# Altium PCB AirScout_PCBV1.2.PcbDoc (part 2 of 2)
Units mil, origin at the board's own origin, x right, y up, seen from the top; angles counter-clockwise.
Board outline 3592.52 x 5944.88 mil, 4 copper layers (Top Layer, Signal Layer 1, Signal Layer 2, Bottom Layer), stack 23.756 mil thick; 56 components, 39 nets, 237 pads, 309 vias.
Unrouted connection lines stored in the file: 26.
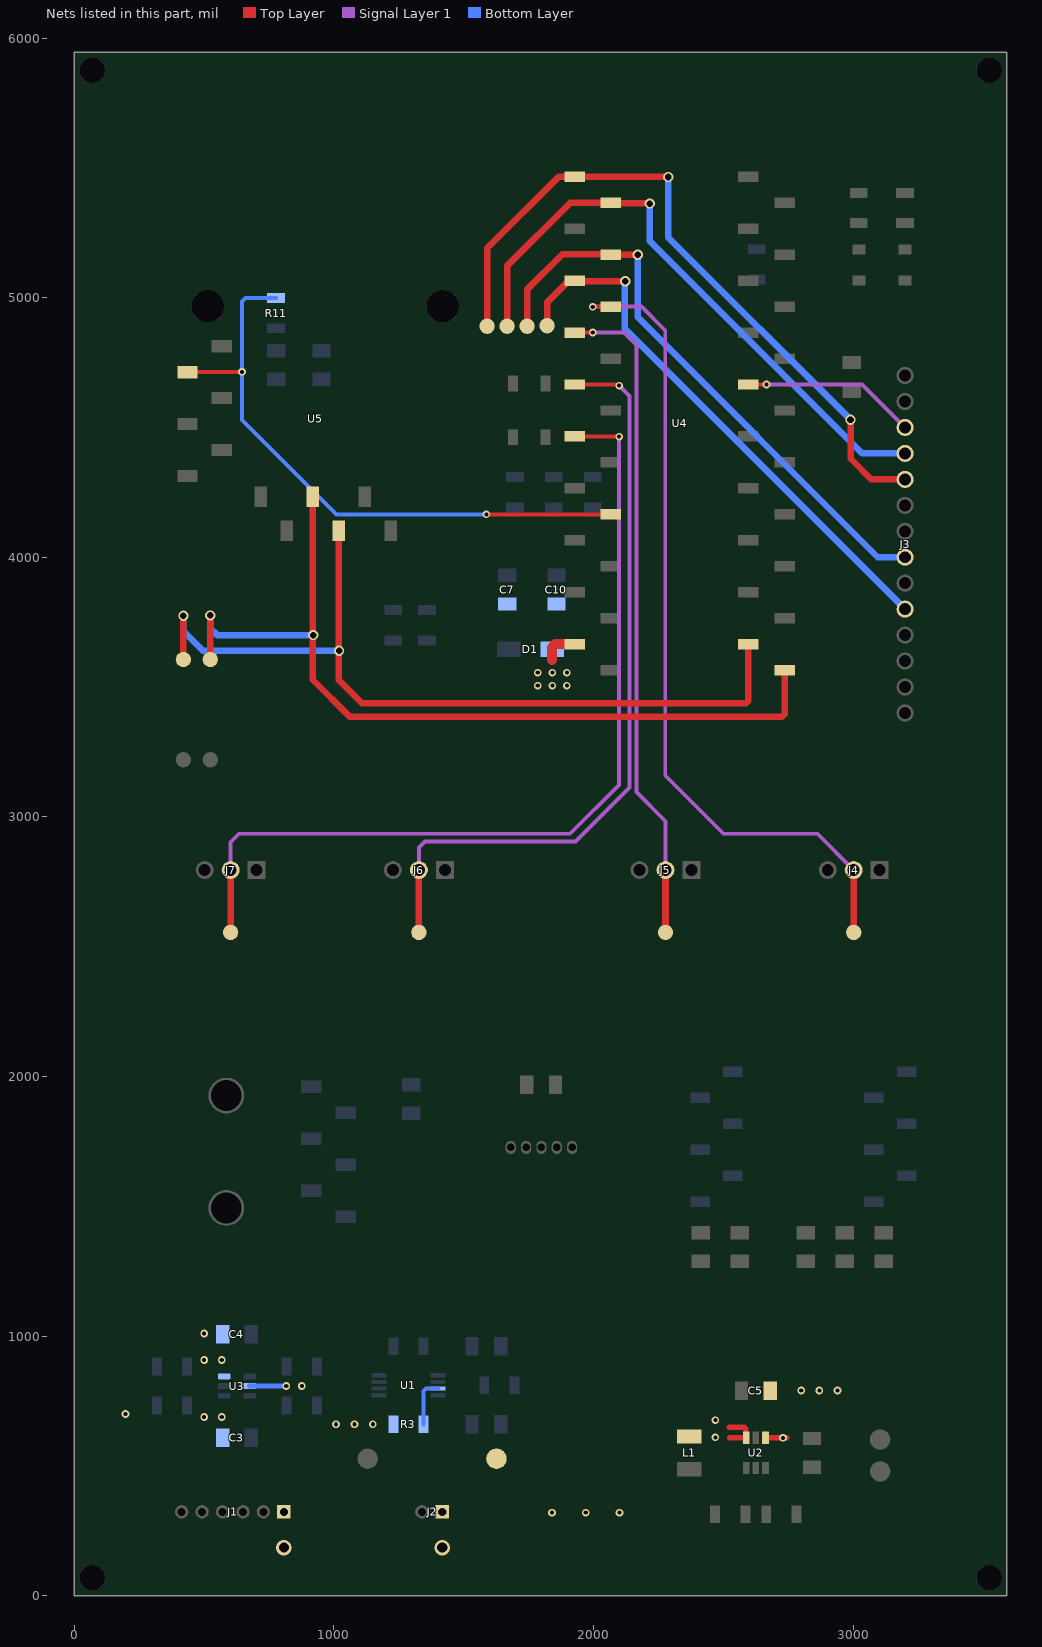
[diagram p4: the nets of this part, all layers, seen from the top]

## Via types
v1: diameter 29.53, hole 15.75, Top Layer to Bottom Layer, 275 vias
v2: diameter 39.37, hole 25.59, Top Layer to Bottom Layer, 23 vias
v3: diameter 59.06, hole 39.37, Top Layer to Bottom Layer, 7 vias
v4: diameter 29.53, hole 15.75, Top Layer to Signal Layer 1, 2 vias
v5: diameter 59.06, hole 39.37, Top Layer to Bottom Layer, tented both sides, 1 vias
v6: diameter 39.37, hole 19.68, Top Layer to Bottom Layer, 1 vias

## Nets (pads, with @x,y where several pads share a name; then routed paths per layer and width w, separated by ;. In a path a pad name is that pad's centre, name@x,y a point inside that pad or via, vN(x,y) a via of type N, cw(c..) or ccw(c..) an arc to the next point about the centre after c; other vN are vias at no path point) (continued)
RESET: R11.1 U4.34 U5.2 | length 2374.8
  Top Layer w15: U5.2@435.89,4713.09 644.84,4713.09 v1(645.96,4714.21) ; v1(1587.09,4165.33) U4.34@2067.09,4165.33
  Bottom Layer w15: R11.1@777.09,4998.6 660.02,4998.6 645.96,4984.55 v1(645.96,4714.21) 645.96,4529.04 1009.67,4165.33 v1(1587.09,4165.33)
RST: J3.12 U4.12 | length 672.1
  Top Layer w15: U4.12@2596.38,4665.33 v1@2673.22,4665.34
  Signal Layer 1 w15: v1@2673.23,4665.35 3034.65,4665.35 J3.12@3200,4500
  other v1: 2666.38,4665.35
SPI/CSn: J3.11 pad.M1@1667.01,4890 U4.22 | length 2349.8
  Top Layer w25.59: pad.M1@1667.01,4890 1667.01,5121.73 1910.61,5365.33 U4.22@2067.09,5365.33 2068.65,5363.77 2214.97,5363.77 v2(2216.54,5362.2)
  Bottom Layer w25.59: v2(2216.54,5362.2) 2216.54,5218.3 3034.84,4400 J3.11@3200,4400
SPI/MISO: J3.5 pad.M1@1821.02,4891.89 U4.25 | length 2136.7
  Top Layer w25.59: pad.M1@1821.02,4891.89 1821.02,4981.02 1898.05,5058.05 1919.8,5058.05 U4.25@1927.09,5065.33 ; U4.25@1927.42,5065 1929.82,5062.6 2121.65,5062.6 v2(2122.05,5062.99)
  Bottom Layer w25.59: v2(2122.05,5062.99) 2120.51,5061.45 2120.51,4879.49 J3.5@3200,3800
SPI/MOSI: J3.10 pad.M1@1590,4890 U4.21 | length 2730.5
  Top Layer w25.59: pad.M1@1590,4890 1590,5190 1865.33,5465.33 U4.21@1927.09,5465.33 2054.49,5465.33 2054.82,5465 2286.97,5465 v2(2287.4,5464.57) ; v2(2990,4530) 2990.9,4529.1 2990.9,4379.1 3070,4300 J3.10@3200,4300
  Bottom Layer w25.59: v2(2287.4,5464.57) 2287.4,5232.6 v2(2990,4530)
SPI/SCK: J3.7 pad.M1@1744.02,4890 U4.24 | length 2277.8
  Top Layer w25.59: pad.M1@1744.02,4890 1744.02,5031.42 1879.96,5167.36 2065.05,5167.36 U4.24@2067.09,5165.33 2169.67,5165.33 v2(2170,5165)
  Bottom Layer w25.59: v2(2170,5165) 2170,4925 3095,4000 J3.7@3200,4000
TCH1: J4.2 pad.M1@3002.09,2555 U4.26 | length 3221.3
  Top Layer w15: v1@1996.06,4964.57 1996.44,4964.95 2066.7,4964.95 U4.26@2067.09,4965.33
  Top Layer w25.59: pad.M1@3002.09,2555 J4.2@3002.09,2795
  Signal Layer 1 w15: v1@1996.06,4964.57 1996.83,4965.33 2184.67,4965.33 2276.31,4873.69 2276.31,3158.69 2500,2935 2862.09,2935 J4.2@3002.09,2795
  other v1: 1997.09,4964.57
TCH2: J5.2 pad.M1@2277.09,2555 U4.27 | length 2567.5
  Top Layer w15: U4.27@1927.09,4865.33 1927.49,4865.74 v1@1999.59,4865.74
  Top Layer w25.59: pad.M1@2277.09,2555 J5.2@2277.09,2795
  Signal Layer 1 w15: v1@1999.59,4865.74 2000,4866.14 2116.58,4866.14 2165,4817.72 2165,3095 2277.09,2982.91 J5.2@2277.09,2795
  other v1: 1997.09,4865.74
TCH3: J6.2 pad.M1@1327.09,2555 U4.29 | length 3003.8
  Top Layer w15: U4.29@1927.09,4665.33 2091.29,4665.33 2095.79,4660.83 v1(2098.43,4660.83) v1@2099.72,4660.83
  Top Layer w25.59: pad.M1@1327.09,2555 J6.2@1327.09,2795
  Signal Layer 1 w15: J6.2@1327.09,2795 1327.09,2882.09 1350,2905 1930,2905 2137.8,3112.8 2137.8,4621.46 2121.4,4637.86 v1(2098.43,4660.83) ; v1@2099.72,4660.83 2122.05,4638.51
TCH4: J7.2 pad.M1@602.09,2555 U4.31 | length 3447.9
  Top Layer w15: U4.31@1927.09,4465.33 2097.66,4465.33 v1(2098.43,4464.57)
  Top Layer w25.59: pad.M1@602.09,2555 J7.2@602.09,2795
  Signal Layer 1 w15: J7.2@602.09,2795 602.09,2902.09 635,2935 1910,2935 2098.43,3123.43 v1(2098.43,4464.57)
UART/RX: pad.M1@420,3606.07 U4.2 U5.9 | length 3271.7
  Top Layer w25.59: pad.M1@420,3607.34 v2(420,3775) ; U5.9@1018.43,4101.42 1018.43,3641.57 v2(1020,3640) 1018.43,3638.43 1018.43,3526.57 1106.89,3438.11 2587.86,3438.11 2596.38,3446.63 U4.2@2596.38,3665.33
  Bottom Layer w25.59: v2(420,3775) 420,3715 495,3640 v2(1020,3640)
UART/TX: pad.M1@523.73,3606.07 U4.1 U5.10 | length 3383.3
  Top Layer w25.59: pad.M1@523.73,3606.07 v2(523.73,3776.07) ; U5.10@918.43,4233.42 918.43,3527.8 1061.22,3385 2725,3385 2736.38,3396.38 U4.1@2736.38,3565.33
  Bottom Layer w25.59: v2(523.73,3776.07) 523.73,3726.27 550,3700 v2(920,3700)
VBUS: C4.1 J1.1 U3.6
  other v1: 196.85,700 500,907.83 567.83,907.83 500,1010
  other v3: 807.09,185.04
VCC: C3.1 C5.2 J2.1 L1.1 pad.M1@1625.98,527.56 R3.2 U2.4 U2.6 U3.2 | length 389.8
  Top Layer w19.68: 2521.23,648.58 2580.81,648.58 2587.6,641.79 U2.6@2587.6,608.07 2524.8,608.07 ; U2.4@2662.4,608.07 2745.82,608.07 2745.87,608.02
  Bottom Layer w19.68: U3.2@675.67,807.54 v1(816.26,807.54)
  other v1: 1840,320 1970,320 2100,320 2730,608.02 2469.29,610 1008.11,660.33 1079.06,660.33 1150,660.33 2469.29,675.94 500,688.3 567.83,688.11 2800,790 2870,790 2940,790 876.26,807.54
  other v3: 1417.32,185.04
VIN: R3.1 U1.3 | length 187.3
  Bottom Layer w15.75: R3.1@1345.35,660.33 1345.35,788.6 1354.29,797.54 U1.3@1400.67,797.54
VSYS: C7.1 C10.1 D1.K U4.39 | length 139.7
  Top Layer w39.37: 1840,3605.33 1840,3652.77 1852.56,3665.33 U4.39@1927.09,3665.33
  other v1: 1785.2,3505.33 1841.14,3505.33 1897.09,3505.33 1785.2,3555.33 1841.14,3555.33 1897.09,3555.33
pads on no net: J1.2 J1.4 J3.1 J3.2 J3.3 J3.4 J3.6 S1.4 S2.5 S2.6 S2.MH1 S2.MH2 S3.2 S3.5 S3.7 S3.8 S3.9 S3.11 S3.12 SW1.3 SW1.4 U1.1 U1.8 U4.4 U4.5 U4.9 U4.14 U4.15 U4.17 U4.35 U4.37 U4.40 U5.3 U5.4 U5.6 U5.MH1 U5.MH3
copper on no net:
  other v3: 570.87,185.04 728.35,185.04

## Polygon pours and split planes (outlines as drawn)
GND on Signal Layer 1 "GND_L02_P154" (solid, remove dead copper, pour order 154): 1567.09,5846.46 3474.41,5846.46 3474.41,2233.11 1567.09,2233.11
GND on Signal Layer 1 "GND_L02_P068" (solid, pour order 68): 118.11,5846.46 1577.09,5846.46 1577.09,2228.11 118.11,2228.11
BAT_GND on Signal Layer 1 "BAT_GND_L02_P062" (solid, pour order 62): 1597.09,1075.33 1597.09,850.33 1277.09,850.33 1277.09,1075.33 978.11,1075.33 978.11,98.43 1910,98.43 1910,1075.33
BAT_GND on Signal Layer 1 "BAT_GND_L02_P140" (solid, pour order 140): 990,1075.33 990,100 118.11,100 118.11,1075.33
GND on Signal Layer 1 "GND_L02_P019" (solid, pour order 19): 1362.09,848.11 1180,848.11 1180,1083.11 1598.11,1083.11 1598.11,848.11 1492.09,848.11
GND on Signal Layer 1 "GND_L02_P135" (solid, pour order 135): 1805.34,1083.11 3474.41,1083.11 3474.41,98.43 1805.34,98.43
GND on Signal Layer 1 "GND_L02_P170" (solid, pour order 170): 3474.41,2238.89 3474.41,1078.11 118.11,1078.11 118.11,2233.56
VBUS on Signal Layer 2 "VBUS_L03_P146" (solid, pour order 146): 450,1100 780,1100 780,731.97 450,731.97
VCC on Signal Layer 2 "VCC_L03_P152" (solid, pour order 152): 1335.67,540 772.5,540 772.5,880 1335.67,880
VBUS on Signal Layer 2 "VBUS_L03_P137" (solid, pour order 137): 118.11,1100 460,1100 460,540 985.67,540 985.67,100 118.11,100
5VCC on Signal Layer 2 "5VCC_L03_P153" (solid, pour order 153): 2752.83,1552.69 2755.53,1550 3475,1550 3475,1162.27 3474.41,1161.68 2755.02,1161.68
5VCC on Signal Layer 2 "5VCC_L03_P162" (solid, pour order 162): 1899.87,870 3475,870 3475,1168.61 1900.14,1168.61
VCC on Signal Layer 2 "VCC_L03_P155" (solid, pour order 155): 1937.76,870 1937.76,100 3475,100 3475,870
5VCC on Signal Layer 2 "5VCC_L03_P181" (solid, pour order 181): 2040,2918.11 2040,1433.11 1478.11,1433.11 1478.11,2918.11
VCC on Signal Layer 2 "VCC_L03_P220" (solid, pour order 220): 990.03,603.11 984.67,98.43 1940,98.42 1940,603.11
5VCC on Signal Layer 2 "5VCC_L03_P222" (solid, pour order 222): 787.4,1075.33 787.4,1728.11 1478.11,1728.11 1478.11,1423.11 1474.78,1419.78 1437.01,1419.78 1437.01,1075.41 1437.09,1075.33
VCC on Signal Layer 2 "VCC_L03_P147" (solid, pour order 147): 798.11,540 460,540 460,730 798.11,730
5VCC on Signal Layer 2 "5VCC_L03_P065" (solid, pour order 65): 2150,605.33 1250,605.33 1250,1163.11 2150,1163.11
5VCC on Signal Layer 2 "5VCC_L03_P227" (solid, pour order 227): 1260,880 1260,1080 780,1080 780,880
5VCC on Signal Layer 2 "5VCC_L03_P234" (solid, pour order 234): 1477.09,4505.33 2040,4505.33 2040,2918.11 1477.09,2918.11
3V3 on Signal Layer 2 "3V3_L03_P240" (solid, pour order 240): 118.11,5846.46 3474.41,5846.46 3474.41,1102.36 118.11,1102.36
VCC on Top Layer "NONET_L-01_P-001" (solid, shelved, pour order 239): 750,1102.36 1796.26,1102.36 3476.38,1102.36 3476.38,98.43 987.24,98.43 985.67,100 985.67,560 750,560
5VCC on Top Layer "5VCC_L01_P076" (solid, pour order 76): 2694.29,255 2694.29,423.58 2960,423.58 2960,255
NetL1_2 on Top Layer "NETL1_2_L01_P007" (solid, pour order 7): 2279.29,530 2600,530 2600,433.58 2279.29,433.58
GND on Top Layer "GND_L01_P074" (solid, pour order 74): 2564.29,258.58 2280,258.58 2280,423.58 2564.29,423.58
5VCC on Top Layer "5VCC_L01_P120" (solid, pour order 120): 2549.29,643.58 2549.29,738.58 2799.29,738.58 2799.29,643.58
5VCC on Top Layer "5VCC_L01_P232" (solid, pour order 232): 2799.29,577.53 2799.29,738.58 2959.29,738.58 2959.29,577.53
VBUS on Top Layer "VBUS_L01_P102" (solid, pour order 102): 434.53,740 750,740 750,1100 434.53,1100
VCC on Top Layer "VCC_L01_P108" (solid, pour order 108): 760,740 470,740 470,560.07 760,560.07
GND on Top Layer "NONET_L-01_P-001" (solid, pour order 112): 2920,4680 2920,4881.89 3310,4881.89 3310,4680
VBUS on Top Layer "VBUS_L01_P080" (solid, pour order 80): 118.11,1100 460,1100 460,560 985.67,560 985.67,100 118.11,100
GND on Top Layer "GND_L01_P236" (solid, pour order 236): 2118.11,2198.11 1815.53,2198.11 1815.53,1808.11 1891.5,1808.11 1891.5,1570.87 1988.11,1570.87 2118.11,1570.87
3V3 on Top Layer "3V3_L01_P238" (solid, pour order 238): 3474.41,5103.11 118.11,5103.11 118.11,1102.36 3474.41,1102.36
I2C/SDA on Top Layer "I2C/SDA_L01_P116" (solid, pour order 116): 955,1703.97 1255.91,1703.97 1255.91,1610 955,1610
I2C/SCL on Top Layer "I2C/SCL_L01_P111" (solid, pour order 111): 750,1803.97 900,1803.97 900,1710 750,1710
GND on Top Layer "GND_L01_P077" (solid, pour order 77): 2694.29,532.58 2694.29,429.77 2960,429.77 2960,532.58
FB on Top Layer "FB_L01_P126" (solid, pour order 126): 2564.29,398.58 2564.29,268.58 2684.29,268.58 2684.29,398.58
GND on Top Layer "GND_L01_P231" (solid, pour order 231): 2609.29,528.58 2609.29,563.58 2796.1,563.58 2796.1,528.58
GND on Top Layer "GND_L01_P235" (solid, pour order 235): 2279.29,738.58 2279.29,873.58 2589.29,873.58 2589.29,738.58
GND on Top Layer "GND_L01_P142" (solid, pour order 142): 2755.91,1327.95 2755.91,1118.11 3356.3,1118.11 3356.3,1327.95
I2C/SDA on Top Layer "I2C/SDA_L01_P119" (solid, pour order 119): 705,3253.38 705,3326.16 741.83,3326.16 823,3253.38
GND on Top Layer "GND_L01_P143" (solid, pour order 143): 1062.93,4393.61 1062.93,4283.61 1172.93,4283.61 1172.93,4173.61 1302.93,4173.61 1302.93,4393.61
GND on Top Layer "GND_L01_P145" (solid, pour order 145): 2610,3705.33 2427.09,3705.33 2427.09,4190 2610,4190
GND on Top Layer "GND_L01_P117" (solid, pour order 117): 2435,3705 2047.09,3705 2047.09,3930 2435,3930
GND on Top Layer "GND_L01_P148" (solid, pour order 148): 2115,4725.33 2545,4725.33 2545,5305 2115,5305
GND on Top Layer "GND_L01_P150" (solid, pour order 150): 2910,5103.11 3302.09,5103.11 3302.09,4965.33 2910,4965.33
GND on Top Layer "GND_L01_P151" (solid, pour order 151): 2635,4190 2047.09,4190 2047.09,4335 2635,4335
VSYS on Top Layer "VSYS_L01_P198" (solid, pour order 198): 1937.09,3465.33 1740,3465.33 1740,3605.33 1937.09,3605.33
I2C/SCL on Top Layer "I2C/SCL_L01_P199" (solid, pour order 199): 2935,3325.33 2935,3265.33 805,3265.33 805,3325.33
I2C/SDA on Top Layer "I2C/SDA_L01_P201" (solid, pour order 201): 2935,3255.33 2935,3195.33 705,3195.33 705,3255.33
GND on Top Layer "GND_L01_P203" (solid, pour order 203): 1567.09,4565.33 1647.09,4565.33 1647.09,4415.33 1567.09,4415.33
5VCC on Top Layer "5VCC_L01_P204" (solid, pour order 204): 2755.91,1358.27 2755.91,1545.28 3356.3,1545.28 3356.3,1358.27
5VCC on Top Layer "5VCC_L01_P205" (solid, pour order 205): 1478.11,2198.11 1780.69,2198.11 1780.69,1808.11 1704.72,1808.11 1704.72,1570.87 1608.11,1570.87 1478.11,1570.87
GND on Top Layer "GND_L01_P208" (solid, pour order 208): 2198.11,1118.11 2198.11,1328.11 2648.11,1328.11 2648.11,1118.11
I2C/SCL on Top Layer "I2C/SCL_L01_P209" (solid, pour order 209): 805,3321.72 805,3394.5 837.53,3394.5 918.69,3321.72
I2C/SCL on Top Layer "I2C/SCL_L01_P228" (solid, pour order 228): 2935,3325.33 2935,3398.11 2908.17,3398.11 2827,3325.33
BAT_GND on Bottom Layer "BAT_GND_L04_P241" (solid, remove dead copper, pour order 241): 118.11,1080 1900,1080 1900,98.43 118.11,98.43
GND on Bottom Layer "GND_L04_P226" (solid, pour order 226): 1770.93,1173.11 3474.41,1173.11 3474.41,98.43 1769.05,98.42
5VCC on Bottom Layer "5VCC_L04_P028" (solid, pour order 28): 2276.54,577.53 2276.54,1080 2970,1080 2970,577.53
5VCC on Bottom Layer "5VCC_L04_P031" (solid, pour order 31): 1600,702.65 2279.29,702.65 2279.29,1080 1600,1080
VBUS on Bottom Layer "VBUS_L04_P032" (solid, pour order 32): 456.26,832.54 456.26,962.1 620,962.1 620,832.54
GND on Bottom Layer "GND_L04_P033" (solid, pour order 33): 1390,990 1169.89,990 1170.02,1170 1210,1170 1390,1170
VCC on Bottom Layer "VCC_L04_P038" (solid, pour order 38): 1267.09,580.33 1267.09,757.54 960,757.54 960,580.33 1127.09,580.33
GND on Bottom Layer "GND_L04_P084" (solid, pour order 84): 1362.09,863.29 1310,863.29 1310,1170 1587.09,1170 1587.09,863.29 1492.09,863.29
5VCC on Bottom Layer "5VCC_L04_P104" (solid, pour order 104): 2755.62,1358.27 2755.62,1567.97 3356.01,1567.97 3356.01,1358.27
3V3 on Bottom Layer "3V3_L04_P106" (solid, pour order 106): 1035,2073.11 1035,1935 1410,1935 1410,2073.11
VCC on Bottom Layer "VCC_L04_P014" (solid, pour order 14): 599.98,728.11 460,728.11 460,546.71 598.76,546.71
VSYS on Bottom Layer "VSYS_L04_P107" (solid, pour order 107): 2032.09,3845.33 1487.09,3845.33 1487.09,3685.33 2032.09,3685.33
VCC on Bottom Layer "VCC_L04_P133" (solid, pour order 133): 776.26,847.54 776.26,767.54 981.26,767.54 981.26,847.54
VBUS on Bottom Layer "VBUS_L04_P134" (solid, pour order 134): 456.26,937.54 456.26,1075.33 601.26,1075.33 601.26,937.54
3V3 on Bottom Layer "3V3_L04_P141" (solid, pour order 141): 677.09,4955.33 1077.09,4955.33 1077.09,4765.33 677.09,4765.33
3V3EN on Bottom Layer "3V3EN_L04_P005" (solid, pour order 5): 2000,4170.33 1892.09,4170.33 1892.09,4290.33 1657.09,4290.33 1657.09,4410 2000,4410
5VCC on Bottom Layer "5VCC_L04_P156" (solid, pour order 156): 1881.89,4161.42 1665.35,4161.42 1665.35,4085.33 1881.89,4085.33
5VCC on Bottom Layer "5VCC_L04_P161" (solid, pour order 161): 1717.09,3465.33 1487.09,3465.33 1487.09,3615.33 1717.09,3615.33
5VCC on Bottom Layer "5VCC_L04_P176" (solid, pour order 176): 1727.09,3615.33 1727.09,3685.33 1487.09,3685.33 1487.09,3615.33
VSYS on Bottom Layer "VSYS_L04_P179" (solid, pour order 179): 1797.09,3465.33 1797.09,3715.33 2032.09,3715.33 2032.09,3465.33
VSYS on Bottom Layer "VSYS_L04_P183" (solid, pour order 183): 1797.09,3605.33 1717.09,3605.33 1717.09,3465.33 1797.09,3465.33
"5VCC_FUEL G." on Bottom Layer "5VCC_FUEL_G._L04_P186" (solid, pour order 186): 1367.09,567.54 1367.09,750.33 1467.09,750.33 1467.09,880.33 1597.09,880.33 1597.09,567.54
3V3 on Bottom Layer "3V3_L04_P188" (solid, pour order 188): 2198.11,1568.11 2198.11,1358.11 2648.11,1358.11 2648.11,1568.11
3V3 on Bottom Layer "3V3_L04_P190" (solid, pour order 190): 2598.11,5245 2598.11,5138.11 2898.11,5138.11 2898.11,5245
3V3 on Bottom Layer "3V3_L04_P192" (solid, pour order 192): 1058.11,3768.11 1458.11,3768.11 1458.11,3908.11 1058.11,3908.11
I2C/SCL on Bottom Layer "I2C/SCL_L04_P193" (solid, pour order 193): 1770.58,3324.42 1848.11,3324.42 1848.11,1978.11 1770.58,1978.11
GND on Bottom Layer "GND_L04_P223" (solid, pour order 223): 3474.41,5110 118.11,5110 118.11,1080 3474.41,1080
5VCC on Bottom Layer "5VCC_L04_P020" (solid, pour order 20): 2694.29,357.83 2694.29,578.58 2970,578.58 2970,357.83

## Other copper
Top Layer:
  pour cut-out: 1689.09,4668.68 1815.08,4668.68 1815.08,4461.98 1689.09,4461.98
  pour cut-out: 2683.09,351.28 2683.09,276.28 2757.28,276.28 2763.09,276.28 2763.09,351.28
  pour cut-out: 2440,271.85 2692.13,271.85 2754.72,271.85 2773.61,271.85 2808.66,271.85 2808.66,252.93 2440,251.32
  pour cut-out: 2486.24,351.28 2486.24,276.28 2560.43,276.28 2566.24,276.28 2566.24,351.28
  pour cut-out: 2564.01,598.07 2564.01,563.74 2564.01,523.58 2609.29,523.58 2609.29,598.07
  pour cut-out: 1375.98,255.91 1261.81,255.91 1261.81,98.43 1375.98,98.43
  pour cut-out: 336.61,255.91 728.35,255.91 728.35,98.43 336.61,98.43
  pour cut-out: 336.61,433.07 728.35,433.07 728.35,255.91 336.61,255.91
  pour cut-out: 3300,3302.56 3100,3302.56 3100,4500 3300,4500
  pour cut-out: 602.09,2895 802.28,2895 802.28,2695 752.09,2695 752.09,2635.16 602.09,2635.16
  pour cut-out: 1327.09,2895 1527.28,2895 1527.28,2695 1477.09,2695 1477.09,2635.16 1327.09,2635.16
  pour cut-out: 2277.09,2895 2477.28,2895 2477.28,2695 2427.09,2695 2427.09,2635.16 2277.09,2635.16
  pour cut-out: 1707.03,1783.5 1707.07,1783.46 1889.76,1783.46 1889.76,1633.86 1707.03,1633.86
  pour cut-out: 3002.09,2895 3202.28,2895 3202.28,2695 3152.09,2695 3152.09,2635.16 3002.09,2635.16
  pour cut-out: 2616.38,5515.33 2716.38,5515.33 2716.38,3515.33 2616.38,3515.33
  pour cut-out: 2321.54,588.28 2416.54,588.28 2416.54,508.28 2321.54,508.28
  pour cut-out: 669.33,4217.09 1166.93,4217.09 1167.25,4216.77 1167.25,4167.93 1230,4167.93 1230,4108.09 669.33,4108.09
  pour cut-out: 446.89,4868.09 555.89,4868.09 555.89,4258.09 446.89,4258.09
  pour cut-out: 1947.09,5515.33 2047.09,5515.33 2047.09,3515.33 1947.09,3515.33
Signal Layer 1:
  pour cut-out: 1379.92,255.91 1494.09,255.91 1494.09,98.43 1379.92,98.43
  pour cut-out: 492.13,255.91 883.86,255.91 883.86,98.43 492.13,98.43
  pour cut-out: 492.13,433.07 883.86,433.07 883.86,255.91 492.13,255.91
  pour cut-out: 3300,3302.56 3100,3302.56 3100,4600 3300,4600
  pour cut-out: 602.09,2895 602.09,2635.16 452.09,2635.16 452.09,2695 401.89,2695 401.89,2895
  pour cut-out: 602.09,2895 602.09,2635.16 452.09,2635.16 452.09,2695 401.89,2695 401.89,2895
  pour cut-out: 1327.09,2895 1327.09,2635.16 1177.09,2635.16 1177.09,2695 1126.89,2695 1126.89,2895
  pour cut-out: 1327.09,2895 1327.09,2635.16 1177.09,2635.16 1177.09,2695 1126.89,2695 1126.89,2895
  pour cut-out: 2277.09,2895 2277.09,2635.16 2127.09,2635.16 2127.09,2695 2076.89,2695 2076.89,2895
  pour cut-out: 2277.09,2895 2277.09,2635.16 2127.09,2635.16 2127.09,2695 2076.89,2695 2076.89,2895
  pour cut-out: 3002.09,2895 3002.09,2635.16 2852.09,2635.16 2852.09,2695 2801.89,2695 2801.89,2895
  pour cut-out: 3002.09,2895 3002.09,2635.16 2852.09,2635.16 2852.09,2695 2801.89,2695 2801.89,2895
  pour cut-out: 1860,1783.41 1860,1635 1617.21,1635 1617.21,1783
Signal Layer 2:
  pour cut-out: 1375.98,255.91 1261.81,255.91 1261.81,98.43 1375.98,98.43
  pour cut-out: 728.35,255.91 336.61,255.91 336.61,98.43 728.35,98.43
  pour cut-out: 728.35,322.83 728.35,433.07 336.61,433.07 336.61,255.91 728.35,255.91
  pour cut-out: 3100,4797.44 3300,4797.44 3300,4700 3100,4700
  pour cut-out: 3300,3302.56 3100,3302.56 3100,4500 3300,4500
  pour cut-out: 602.09,2895 802.28,2895 802.28,2695 752.09,2695 752.09,2635.16 602.09,2635.16
  pour cut-out: 1327.09,2895 1527.28,2895 1527.28,2695 1477.09,2695 1477.09,2635.16 1327.09,2635.16
  pour cut-out: 2277.09,2895 2477.28,2895 2477.28,2695 2427.09,2695 2427.09,2635.16 2277.09,2635.16
  pour cut-out: 3002.09,2895 3202.28,2895 3202.28,2695 3152.09,2695 3152.09,2635.16 3002.09,2635.16
  pour cut-out: 1707.03,1783.5 1707.03,1633.86 1980.07,1633.86 1981.21,1635 1981.21,1783
Bottom Layer:
  pour cut-out: 2590.61,5087.78 2665.61,5087.78 2665.61,5161.97 2665.61,5167.78 2590.61,5167.78
  pour cut-out: 1190.61,3697.78 1265.61,3697.78 1265.61,3771.97 1265.61,3777.78 1190.61,3777.78
  pour cut-out: 1320.61,3697.78 1395.61,3697.78 1395.61,3771.97 1395.61,3777.78 1320.61,3777.78
  pour cut-out: 1715,3675 1800,3675 1800,3615 1799.67,3615.33 1717.09,3615.33
  pour cut-out: 1959.59,4210 2034.59,4210 2034.59,4284.19 2034.59,4290 1959.59,4290
  pour cut-out: 1809.59,4210 1884.59,4210 1884.59,4284.19 1884.59,4290 1809.59,4290
  pour cut-out: 1659.59,4210 1734.59,4210 1734.59,4284.19 1734.59,4290 1659.59,4290
  pour cut-out: 590,868.95 660,868.95 660,746.12 590,746.12
  pour cut-out: 492.13,185.04 492.13,95 883.86,95 883.86,255.91 492.13,255.91
  pour cut-out: 492.13,433.07 883.86,433.07 883.86,255.91 492.13,255.91
  pour cut-out: 1379.92,255.91 1494.09,255.91 1494.09,98.43 1379.92,98.43
  pour cut-out: 3300,3302.56 3100,3302.56 3100,4600 3300,4600
  pour cut-out: 602.09,2895 602.09,2635.16 452.09,2635.16 452.09,2695 401.89,2695 401.89,2895
  pour cut-out: 1327.09,2895 1327.09,2635.16 1177.09,2635.16 1177.09,2695 1126.89,2695 1126.89,2895
  pour cut-out: 2277.09,2895 2277.09,2635.16 2127.09,2635.16 2127.09,2695 2076.89,2695 2076.89,2895
  pour cut-out: 3002.09,2895 3002.09,2635.16 2852.09,2635.16 2852.09,2695 2801.89,2695 2801.89,2895
  pour cut-out: 1889.76,1783.46 1889.76,1636.14 1888.62,1635 1617.21,1635 1617.21,1783
  pour cut-out: 3093.01,2068.11 3194.19,2068.11 3194.92,2067.38 3194.92,1553.11 3092.26,1553.11 3091.83,1553.54
  pour cut-out: 935,2010 1025,2010 1025,1410 935,1410
  pour cut-out: 1610.71,843.8 1663.46,843.8 1663.46,776.87 1663.23,777.1 1610.94,777.1 1610.71,776.87
  pour cut-out: 1260.71,693.8 1313.46,693.8 1313.46,626.87 1260.71,626.87
  pour cut-out: 961.5,767.54 962.07,768.11 1013.11,768.11 1013.11,715.97 1010.25,713.11 963.11,713.11
  pour cut-out: 1200.47,871.35 1373.7,871.35 1373.7,749.31 1200.47,749.31
  pour cut-out: 1260.71,993.8 1313.46,993.8 1313.46,926.87 1260.71,926.87
  pour cut-out: 849.88,766 902.64,766 902.64,699.07 849.88,699.07
  pour cut-out: 849.88,916 902.64,916 902.64,849.07 849.88,849.07
  pour cut-out: 349.88,766 402.64,766 402.64,699.07 349.88,699.07
  pour cut-out: 349.88,916 402.64,916 402.64,849.07 349.88,849.07
  pour cut-out: 493.11,823.11 533.11,823.11 533.11,748.11 493.11,748.11
  pour cut-out: 2423.72,2068.11 2523.72,2068.11 2523.72,1578.35 2523.96,1578.11 2423.11,1578.11
  pour cut-out: 2366.12,1798.11 2453.11,1798.11 2453.11,1736.74 2366.12,1736.74

## Silkscreen, mask and mechanical layers (free items; w line width, h text height)
Top Overlay:
  drawing of 603 lines, arcs and shapes, not listed
  text "5BHELS, 25/26" at 2943.07,5751.47 h39.37
  text "AirScout V1.2" at 167.48,5738.35 h76.77
  text "CNS" at 167.48,5620.24 h60
  text "Raspberry PicoW" at 1950,5558.12 h39.37
  text "GNSS - Module" at 720,5155 h39.37
  text "SPI:" at 1530.96,5012 h39.37
  text "CSN" at 1632.09,4933.57 h39.37
  text "MISO" at 1778.01,4933.57 h39.37
  text "MOSI" at 1547.43,4825.46 h39.37
  text "SCK" at 1707.52,4823.57 h39.37
  text "#2.54mm" at 3350.55,4662.56 h19.68 r90
  text "Display" at 3056.88,3925.37 h39.37 r90
  text "UART:" at 225.33,3810 h39.37
  text "PicoW:" at 248.73,3536.54 h39.37
  text "RX" at 396.86,3536.07 h39.37
  text "TX" at 503.73,3536.07 h39.37
  text "1" at 2760.98,3458.58 h29.53
  text "I2C:" at 248.29,3385 h39.37
  text "1" at 3258.03,3380.08 h29.53
  text "SDA" at 383.51,3145.46 h39.37
  text "SCL" at 485,3145.46 h39.37
  text "BI" at 167.48,3002.13 h60
  text "TH4" at 410,2915 h39.37
  text "TH3" at 1135,2915 h39.37
  text "TH2" at 2085,2915 h39.37
  text "TH1" at 2802.05,2914.84 h39.37
  text "1" at 2175,2700 h29.53
  text "1" at 495,2695 h29.53
  text "1" at 1220,2695 h29.53
  text "1" at 2895,2680 h29.53
  text "#2.54mm" at 609.65,2649.61 h19.68
  text "#2.54mm" at 1334.65,2649.61 h19.68
  text "#2.54mm" at 2284.65,2649.61 h19.68
  text "#2.54mm" at 3009.65,2649.61 h19.68
  text "TH4" at 570,2485 h39.37
  text "TH3" at 1295,2485.46 h39.37
  text "TH2" at 2245,2485 h39.37
  text "TH1" at 2970,2485 h39.37
  text "SI" at 167.48,2273.78 h60
  text "#1.5mm" at 1811.02,1645.67 h29.53
  text "1" at 1671.42,1588.74 h29.53
  text "SPS30 Module" at 1553.31,1498.19 h39.37
  text "PBMS" at 167.48,994.25 h60
  text "5VCC" at 3165,588.82 h39.37
  text "BAT_GND" at 1054.58,583.17 h33.46
  text "VCC" at 1589.73,580.44 h39.37
  text "GND" at 3165,466.04 h39.37
  text "USB-C" at 517.87,462.76 h39.37
  text "BAT" at 1325.48,458.82 h39.37
  text "#2mm" at 1271.65,401.57 h19.68
  text "JST:" at 1112.36,399.76 h39.37
  text "#2mm" at 350.39,389.76 h29.53
  text "JST:" at 191.1,384.02 h39.37
  text "1" at 801.34,380.08 h29.53
  text "1" at 1411.57,372.2 h29.53
  text "RAW:" at 191.1,198.98 h39.37
  text "RAW:" at 1108.43,198.98 h39.37
  text "5VCC" at 2552.84,149.77 h39.37
Bottom Overlay:
  lines w10: 137.8,118.11 3446.85,118.11 3446.85,1082.68 137.8,1082.68 137.8,118.11 ; 137.8,1102.36 3444.88,1102.36 3444.88,2362.2 137.8,2362.2 137.8,1102.36 ; 137.8,2381.89 3444.88,2381.89 3444.88,3090.55 137.8,3090.55 137.8,2381.89 ; 137.8,3120.24 ccw(c147.8,3120.24) 147.8,3110.24 3434.88,3110.24 ccw(c3434.88,3120.24) 3444.88,3120.24 3444.88,5698.66 ccw(c3434.88,5698.66) 3434.88,5708.66 147.8,5708.66 ccw(c147.8,5698.66) 137.8,5698.66 137.8,3120.24
  text "PASCO2 Module" at 3178.98,2106.46 h39.37
  text "BME680 Module" at 1030,2050 h39.37
  text "1" at 1131.73,1889.92 h29.53
  text "1" at 2381.73,1565.12 h29.53
  text "Designed by Rene Gaupmann" at 3425.2,145.19 h39.37
Mechanical 13:
  lines w7.87: 2331.73,4030 2331.73,5524.39
Mechanical 15:
  lines w10: 3592.52,5944.4 3592.52,0 1524.17,0 1524.17,80 1230,80 1230,0 881.89,0 881.89,74.8 338.58,74.8 338.58,0 0,0 0,5944.88 3592.52,5944.88 ; 1421.26,433.07 1421.26,433.07 ; 1437.01,1173.72 1437.01,1296.75 1437.01,1419.78 1796.26,1419.78 2155.51,1419.78 2155.51,1296.75 2155.51,1173.72 1796.26,1173.72 1437.01,1173.72

## Text inside footprints (layer, text, board x,y; h text height)
U5: Mechanical 3 "GPS-Module" at 976.46,5058.99 h60 r270